# KiCad board travis_erg2024.kicad_pcb-wired-gnd.kicad_pcb (continued)
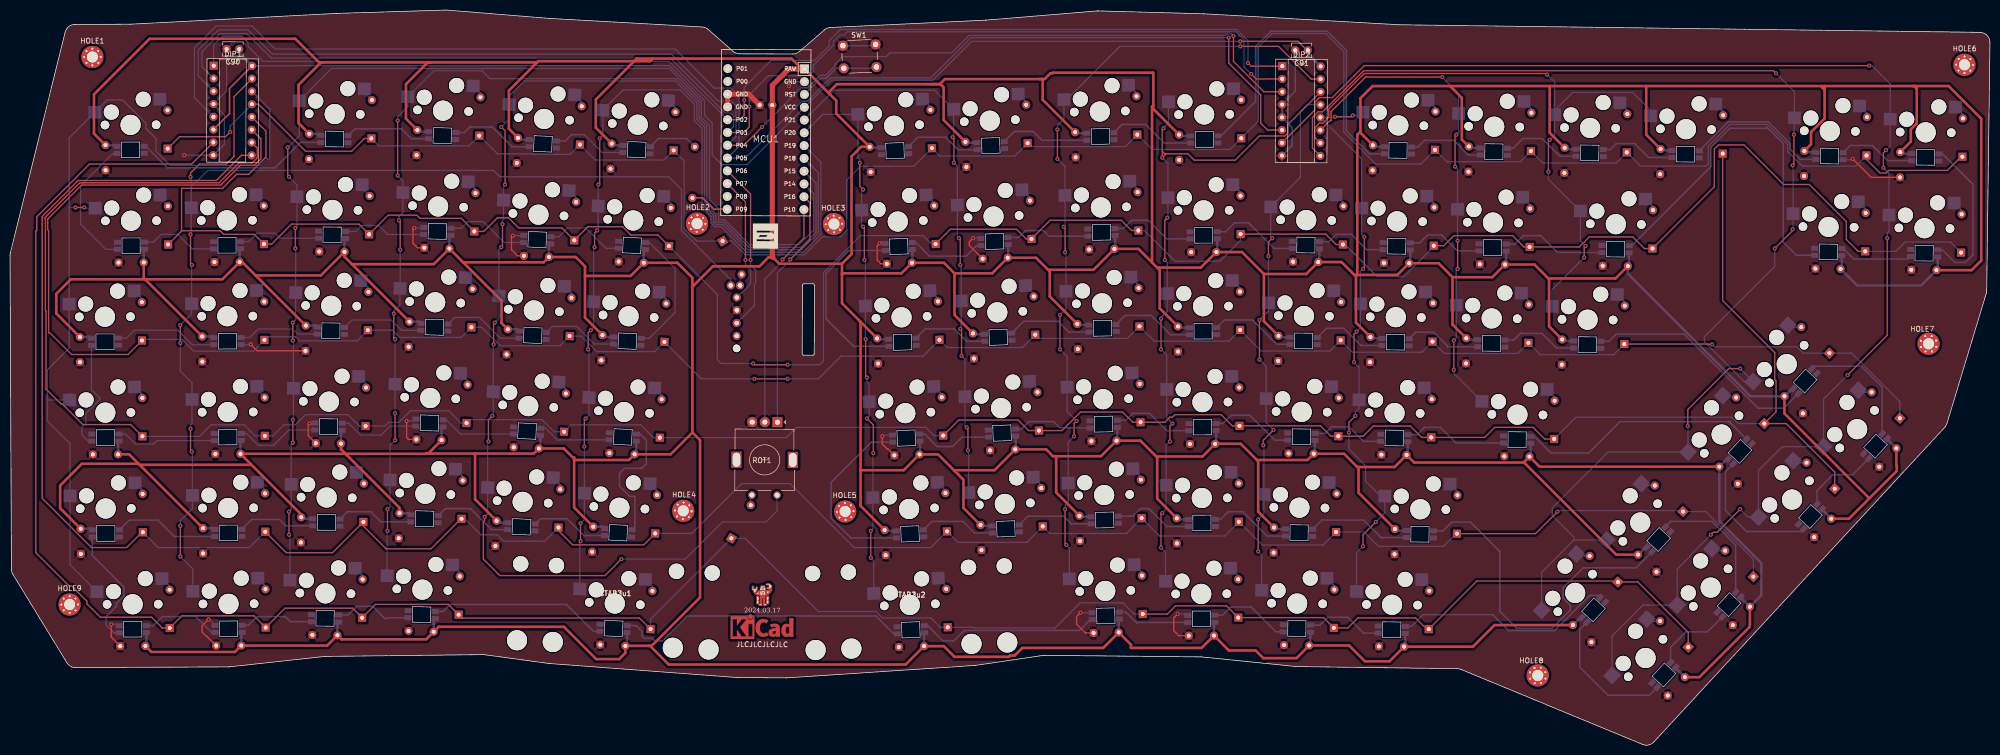
[diagram p0: board, top side]
## Placement (name value [footprint] x y rotation side) (continued)
S58  -  [MX]  255.69 28.09 359.2 top
S59  -  [MX]  256.13 47.14 359.2 top
S60  -  [MX]  256.58 66.19 359.2 top
S61  -  [MX]  257.03 85.23 359.2 top
S62  -  [MX]  257.48 104.28 359.2 top
S63  -  [MX]  274.53 27.85 359.2 top
S64  -  [MX]  280.14 46.83 359.2 top
S65  -  [MX]  275.03 65.94 359.2 top
S66  -  [MX]  275.28 84.99 359.2 top
S67  -  [MX]  275.53 104.04 359.2 top
S68  -  [MX]  275.78 123.09 359.2 top
S69  -  [MX]  299.44 65.63 359.2 top
S70  -  [MX]  294.33 84.74 359.2 top
S71  -  [MX]  294.58 103.79 359.2 top
S72  -  [MX]  294.83 122.84 359.2 top
S73  -  [MX]  313.38 84.49 359.2 top
S74  -  [MX]  318.99 103.47 359.2 top
S75  -  [MX]  313.88 122.59 359.2 top
S76  -  [MX]  332.93 122.34 359.2 top
S77  -  [MX]  324.9 17.27 47.2 top
S78  -  [MX]  310.91 30.2 47.2 top
S79  -  [MX]  337.83 31.26 47.2 top
S80  -  [MX]  323.85 44.19 47.2 top
S81  -  [MX]  354 48.75 47.2 top
S82  -  [MX]  340.01 61.68 47.2 top
S83  -  [MX]  366.93 62.74 47.2 top
S84  -  [MX]  352.94 75.67 47.2 top
S85  -  [MX]  361.25 102.92 359.2 top
S86  -  [MX]  361.5 121.97 359.2 top
S87  -  [MX]  380.3 102.67 359.2 top
S88  -  [MX]  380.55 121.72 359.2 top
STAB2u1  -  [Stabilizer_MX_2.00u]  120.13 28.09 357.2 top
STAB2u2  -  [Stabilizer_MX_2.00u]  178.74 27.83 2.2 top
STAB3u1  -  [Stabilizer_MX_3.00u]  120.13 28.09 357.2 top
STAB3u2  -  [Stabilizer_MX_3.00u]  178.74 27.83 2.2 top
SW1  -  [SW_PUSH_6mm_H4.3mm]  165.44 138.93 2.2 top
SYM1  -  [KiCad-Logo_5mm_Copper]  149.41 22.96 359.8 top

## Library data of the parts
D1-D90 = -: Field4: undefined

## Footprints (pads in the part's own frame, mm; a bottom-side part is the same pattern mirrored in y, then rotated)
C_Disc_D3.8mm_W2.6mm_P2.50mm
  round 1.6 hole 0.8: 1(0,0) 2(2.5,0)
C_Disc_D4.7mm_W2.5mm_P5.00mm
  round 1.6 hole 0.8: 1(0,0) 2(5,0)
C_Radial_D6.3mm_H11.0mm_P2.50mm
  round 1.6 hole 0.8: 1(0,0) 2(2.5,0)
Diode_DO-35
  rect 1.6x1.6 hole 0.8: 1(0,0)
  oval 1.6x1.6 hole 0.8: 2(7.62,0)
DIP-16_W7.62mm_Socket
  rect 1.6x1.6 hole 0.8: 1(0,0)
  oval 1.6x1.6 hole 0.8: 2(0,-2.54) 3(0,-5.08) 4(0,-7.62) 5(0,-10.16) 6(0,-12.7) 7(0,-15.24) 8(0,-17.78) 9(7.62,-17.78) 10(7.62,-15.24) 11(7.62,-12.7) 12(7.62,-10.16) 13(7.62,-7.62) 14(7.62,-5.08) 15(7.62,-2.54) 16(7.62,0)
led_SK6812mini-e (per-keysingle-side)
  rect 1.4x1 smd: 1(2.7,0.7) 2(2.7,-0.7) 3(-2.7,-0.7) 4(-2.7,0.7)
MountingHole_2.2mm_M2_Pad_Via
  round 0.7 hole 0.4: 1(-1.65,0) 1(-1.167,1.167) 1(-1.167,-1.167) 1(0,1.65) 1(0,-1.65) 1(1.167,1.167) 1(1.167,-1.167) 1(1.65,0)
  round 4.4 hole 2.2: 1(0,0)
MX
  round 1.702 hole 1.702 unplated: (-5.08,0) (5.08,0)
  round 3 hole 3 unplated: (-3.81,2.54) (2.54,5.08)
  round 3.988 hole 3.988 unplated: (0,0)
  rect 2.55x2.5 smd far side: 1(-7.085,2.54) 2(5.842,5.08)
ProMicro
  rect 1.753x1.753 hole 1.092: 1(-13.97,7.62)
  round 1.753 hole 1.092: 2(-11.43,7.62) 3(-8.89,7.62) 4(-6.35,7.62) 5(-3.81,7.62) 6(-1.27,7.62) 7(1.27,7.62) 8(3.81,7.62) 9(6.35,7.62) 10(8.89,7.62) 11(11.43,7.62) 12(13.97,7.62) 13(-13.97,-7.62) 14(-11.43,-7.62) 15(-8.89,-7.62) 16(-6.35,-7.62) 17(-3.81,-7.62) 18(-1.27,-7.62) 19(1.27,-7.62) 20(3.81,-7.62) 21(6.35,-7.62) 22(8.89,-7.62) 23(11.43,-7.62) 24(13.97,-7.62)
R_Axial_DIN0207_L6.3mm_D2.5mm_P10.16mm_Horizontal
  round 1.6 hole 0.8: 1(0,0)
  oval 1.6x1.6 hole 0.8: 2(10.16,0)
RollerEncoder_Panasonic_EVQWGD001
  round 1.5 hole 1.5 unplated: (-5.625,-6.3)
  round 1.6 hole 0.9: A(-5.625,3.81) B(-5.625,1.27) C(-5.625,-1.27) D(-5.625,-3.81) S1(-6.85,6.2) S2(-5,6.2)
rotary_encoder
  rect 3.2x2 hole 2.8x1.5: (-0.12,5.64) (-0.12,-5.56)
  round 1.5 hole 1: 1(6.88,2.54) 2(6.88,-2.46)
  rect 2x2 hole 1: A(-7.62,2.54)
  round 2 hole 1: B(-7.62,-2.46) C(-7.62,0.04)
Stabilizer_MX_2.00u
  round 3.048 hole 3.048 unplated: (-11.938,6.985) (11.938,6.985)
  round 3.988 hole 3.988 unplated: (-11.938,-8.225) (11.938,-8.225)
Stabilizer_MX_3.00u
  round 3.048 hole 3.048 unplated: (-19.05,6.985) (19.05,6.985)
  round 3.988 hole 3.988 unplated: (-19.05,-8.225) (19.05,-8.225)
SW_PUSH_6mm_H4.3mm
  round 2 hole 1.1: 1(0,0) 1(6.5,0) 2(0,-4.5) 2(6.5,-4.5)

## Nets
GND: C1.2 C2.2 C3.2 C4.2 C5.2 C6.2 C7.2 C8.2 C9.2 C10.2 C11.2 C12.2 C13.2 C14.2 C15.2 C16.2 C17.2 C18.2 C19.2 C20.2 C21.2 C22.2 C23.2 C24.2 C25.2 C26.2 C27.2 C28.2 C29.2 C30.2 C31.2 C32.2 C33.2 C34.2 C35.2 C36.2 C37.2 C38.2 C39.2 C40.2 C41.2 C42.2 C43.2 C44.2 C45.2 C46.2 C47.2 C48.2 C49.2 C50.2 C51.2 C52.2 C53.2 C54.2 C55.2 C56.2 C57.2 C58.2 C59.2 C60.2 C61.2 C62.2 C63.2 C64.2 C65.2 C66.2 C67.2 C68.2 C69.2 C70.2 C71.2 C72.2 C73.2 C74.2 C75.2 C76.2 C77.2 C78.2 C79.2 C80.2 C81.2 C82.2 C83.2 C84.2 C85.2 C86.2 C87.2 C88.2 C89.2 C90.2 C91.2 DIP1.4 DIP1.8 DIP2.4 DIP2.5 DIP2.8 LED1.3 LED2.3 LED3.3 LED4.3 LED5.3 LED6.3 LED7.3 LED8.3 LED9.3 LED10.3 LED11.3 LED12.3 LED13.3 LED14.3 LED15.3 LED16.3 LED17.3 LED18.3 LED19.3 LED20.3 LED21.3 LED22.3 LED23.3 LED24.3 LED25.3 LED26.3 LED27.3 LED28.3 LED29.3 LED30.3 LED31.3 LED32.3 LED33.3 LED34.3 LED35.3 LED36.3 LED37.3 LED38.3 LED39.3 LED40.3 LED41.3 LED42.3 LED43.3 LED44.3 LED45.3 LED46.3 LED47.3 LED48.3 LED49.3 LED50.3 LED51.3 LED52.3 LED53.3 LED54.3 LED55.3 LED56.3 LED57.3 LED58.3 LED59.3 LED60.3 LED61.3 LED62.3 LED63.3 LED64.3 LED65.3 LED66.3 LED67.3 LED68.3 LED69.3 LED70.3 LED71.3 LED72.3 LED73.3 LED74.3 LED75.3 LED76.3 LED77.3 LED78.3 LED79.3 LED80.3 LED81.3 LED82.3 LED83.3 LED84.3 LED85.3 LED86.3 LED87.3 LED88.3 MCU1.2 MCU1.15 MCU1.16 REF**.B ROT1.B SW1.1
VCC: C90.1 C91.1 DIP1.6 DIP1.16 DIP2.16 MCU1.4
arrows_left_bottom: D77.2 S77.2
arrows_left_top: D78.2 S78.2
arrows_right_bottom: D79.2 S79.2
arrows_right_top: D80.2 S80.2
col0: DIP1.14 S1.1 S2.1 S3.1 S4.1 S5.1 S6.1
col1: DIP1.15 REF**.S1 S7.1 S8.1 S9.1 S10.1 S11.1
col2: MCU1.10 S12.1 S13.1 S14.1 S15.1 S16.1 S17.1
col3: MCU1.9 S18.1 S19.1 S20.1 S21.1 S22.1 S23.1
col4: MCU1.8 ROT1.1 S24.1 S25.1 S26.1 S27.1 S28.1
col5: MCU1.7 S29.1 S30.1 S31.1 S32.1 S33.1 S34.1
col6: MCU1.6 S35.1 S36.1 S37.1 S38.1 S39.1 S40.1
col7: MCU1.5 S41.1 S42.1 S43.1 S44.1 S45.1
col8: DIP2.15 S46.1 S47.1 S48.1 S49.1 S50.1 S51.1
col9: DIP2.14 S52.1 S53.1 S54.1 S55.1 S56.1 S57.1
col10: DIP2.13 S58.1 S59.1 S60.1 S61.1 S62.1
col11: DIP2.12 S63.1 S64.1 S65.1 S66.1 S67.1 S68.1
col12: DIP2.11 S69.1 S70.1 S71.1 S72.1
col13: DIP2.10 S73.1 S74.1 S75.1 S76.1
col14: DIP2.9 S78.1 S80.1 S82.1 S84.1 S85.1 S86.1
col15: DIP2.7 S77.1 S79.1 S81.1 S83.1 S87.1 S88.1
enc_to: D90.2 ROT1.2
encA: MCU1.11 ROT1.A
encC: MCU1.12 ROT1.C
LED: MCU1.24 R1.1
LED_0: LED17.4 R1.2
LED_1: LED14.4 LED17.2
LED_2: LED11.4 LED14.2
LED_3: LED8.4 LED11.2
LED_4: LED3.4 LED8.2
LED_5: LED3.2 LED48.4
LED_6: LED48.2 LED51.4
LED_7: LED51.2 LED54.4
LED_8: LED54.2 LED57.4
LED_9: LED57.2 LED59.4
LED_10: LED59.2 LED62.4
LED_11: LED16.4 LED62.2
LED_12: LED13.4 LED16.2
LED_13: LED10.4 LED13.2
LED_14: LED7.4 LED10.2
LED_15: LED5.4 LED7.2
LED_16: LED2.4 LED5.2
LED_17: LED2.2 LED47.4
LED_18: LED47.2 LED50.4
LED_19: LED50.2 LED53.4
LED_20: LED53.2 LED56.4
LED_21: LED56.2 LED58.4
LED_22: LED58.2 LED61.4
LED_23: LED15.4 LED61.2
LED_24: LED12.4 LED15.2
LED_25: LED9.4 LED12.2
LED_26: LED6.4 LED9.2
LED_27: LED4.4 LED6.2
LED_28: LED1.4 LED4.2
LED_29: LED1.2 LED46.4
LED_30: LED46.2 LED49.4
LED_31: LED49.2 LED52.4
LED_32: LED52.2 LED55.4
LED_33: LED55.2 LED60.4
LED_34: LED60.2 LED63.4
LED_35: LED63.2 LED68.4
LED_36: LED68.2 LED71.4
LED_37: LED71.2 LED74.4
LED_38: LED74.2 LED77.4
LED_39: LED40.4 LED77.2
LED_40: LED40.2 LED83.4
LED_41: LED83.2 LED84.4
LED_42: LED41.4 LED84.2
LED_43: LED32.4 LED41.2
LED_44: LED30.4 LED32.2
LED_45: LED27.4 LED30.2
LED_46: LED24.4 LED27.2
LED_47: LED21.4 LED24.2
LED_48: LED18.4 LED21.2
LED_49: LED18.2 LED64.4
LED_50: LED64.2 LED66.4
LED_51: LED66.2 LED69.4
LED_52: LED69.2 LED72.4
LED_53: LED72.2 LED75.4
LED_54: LED75.2 LED78.4
LED_55: LED78.2 LED80.4
LED_56: LED42.4 LED80.2
LED_57: LED42.2 LED85.4
LED_58: LED85.2 LED86.4
LED_59: LED43.4 LED86.2
LED_60: LED37.4 LED43.2
LED_61: LED35.4 LED37.2
LED_62: LED33.4 LED35.2
LED_63: LED31.4 LED33.2
LED_64: LED28.4 LED31.2
LED_65: LED25.4 LED28.2
LED_66: LED22.4 LED25.2
LED_67: LED19.4 LED22.2
LED_68: LED19.2 LED65.4
LED_69: LED65.2 LED67.4
LED_70: LED67.2 LED70.4
LED_71: LED70.2 LED73.4
LED_72: LED73.2 LED76.4
LED_73: LED76.2 LED79.4
LED_74: LED79.2 LED81.4
LED_75: LED81.2 LED82.4
LED_76: LED82.2 LED87.4
LED_77: LED87.2 LED88.4
LED_78: LED45.4 LED88.2
LED_79: LED44.4 LED45.2
LED_80: LED39.4 LED44.2
LED_81: LED38.4 LED39.2
LED_82: LED36.4 LED38.2
LED_83: LED34.4 LED36.2
LED_84: LED29.4 LED34.2
LED_85: LED26.4 LED29.2
LED_86: LED23.4 LED26.2
LED_87: LED20.4 LED23.2
matrixl_index_bottom: D24.2 S24.2
matrixl_index_func: D28.2 S28.2
matrixl_index_home: D25.2 S25.2
matrixl_index_num: D27.2 S27.2
matrixl_index_top: D26.2 S26.2
matrixl_inner_bottom: D30.2 S30.2
matrixl_inner_func: D34.2 S34.2
matrixl_inner_home: D31.2 S31.2
matrixl_inner_mod: D29.2 S29.2
matrixl_inner_num: D33.2 S33.2
matrixl_inner_top: D32.2 S32.2
matrixl_middle_bottom: D19.2 S19.2
matrixl_middle_func: D23.2 S23.2
matrixl_middle_home: D20.2 S20.2
matrixl_middle_mod: D18.2 S18.2
matrixl_middle_num: D22.2 S22.2
matrixl_middle_top: D21.2 S21.2
matrixl_outer_bottom: D2.2 S2.2
matrixl_outer_func: D6.2 S6.2
matrixl_outer_home: D3.2 S3.2
matrixl_outer_mod: D1.2 S1.2
matrixl_outer_num: D5.2 S5.2
matrixl_outer_top: D4.2 S4.2
matrixl_pinky_bottom: D8.2 S8.2
matrixl_pinky_home: D9.2 S9.2
matrixl_pinky_mod: D7.2 S7.2
matrixl_pinky_num: D11.2 S11.2
matrixl_pinky_top: D10.2 S10.2
matrixl_ring_bottom: D13.2 S13.2
matrixl_ring_func: D17.2 S17.2
matrixl_ring_home: D14.2 S14.2
matrixl_ring_mod: D12.2 S12.2
matrixl_ring_num: D16.2 S16.2
matrixl_ring_top: D15.2 S15.2
matrixr_index_bottom: D41.2 S41.2
matrixr_index_func: D45.2 S45.2
matrixr_index_home: D42.2 S42.2
matrixr_index_num: D44.2 S44.2
matrixr_index_top: D43.2 S43.2
matrixr_inner_bottom: D36.2 S36.2
matrixr_inner_func: D40.2 S40.2
matrixr_inner_home: D37.2 S37.2
matrixr_inner_mod: D35.2 S35.2
matrixr_inner_num: D39.2 S39.2
matrixr_inner_top: D38.2 S38.2
matrixr_middle_bottom: D47.2 S47.2
matrixr_middle_func: D51.2 S51.2
matrixr_middle_home: D48.2 S48.2
matrixr_middle_mod: D46.2 S46.2
matrixr_middle_num: D50.2 S50.2
matrixr_middle_top: D49.2 S49.2
matrixr_outer2_func: D72.2 S72.2
matrixr_outer2_home: D69.2 S69.2
matrixr_outer2_num: D71.2 S71.2
matrixr_outer2_top: D70.2 S70.2
matrixr_outer3_func: D75.2 S75.2
matrixr_outer3_num: D74.2 S74.2
matrixr_outer3_top: D73.2 S73.2
matrixr_outer4_func: D76.2 S76.2
matrixr_outer_bottom: D64.2 S64.2
matrixr_outer_func: D68.2 S68.2
matrixr_outer_home: D65.2 S65.2
matrixr_outer_mod: D63.2 S63.2
matrixr_outer_num: D67.2 S67.2
matrixr_outer_top: D66.2 S66.2
matrixr_pinky_bottom: D59.2 S59.2
matrixr_pinky_home: D60.2 S60.2
matrixr_pinky_mod: D58.2 S58.2
matrixr_pinky_num: D62.2 S62.2
matrixr_pinky_top: D61.2 S61.2
matrixr_ring_bottom: D53.2 S53.2
matrixr_ring_func: D57.2 S57.2
matrixr_ring_home: D54.2 S54.2
matrixr_ring_mod: D52.2 S52.2
matrixr_ring_num: D56.2 S56.2
matrixr_ring_top: D55.2 S55.2
mux0: DIP1.1 DIP2.1 MCU1.17
mux1: DIP1.2 DIP2.2 MCU1.18
mux2: DIP1.3 DIP2.3 MCU1.19
mux3: DIP1.5 DIP2.6 MCU1.20
P0: MCU1.14
P1: MCU1.13
P8: MCU1.23
pages_left_bottom: D81.2 S81.2
pages_left_top: D82.2 S82.2
pages_right_bottom: D83.2 S83.2
pages_right_top: D84.2 S84.2
RAW: C1.1 C2.1 C3.1 C4.1 C5.1 C6.1 C7.1 C8.1 C9.1 C10.1 C11.1 C12.1 C13.1 C14.1 C15.1 C16.1 C17.1 C18.1 C19.1 C20.1 C21.1 C22.1 C23.1 C24.1 C25.1 C26.1 C27.1 C28.1 C29.1 C30.1 C31.1 C32.1 C33.1 C34.1 C35.1 C36.1 C37.1 C38.1 C39.1 C40.1 C41.1 C42.1 C43.1 C44.1 C45.1 C46.1 C47.1 C48.1 C49.1 C50.1 C51.1 C52.1 C53.1 C54.1 C55.1 C56.1 C57.1 C58.1 C59.1 C60.1 C61.1 C62.1 C63.1 C64.1 C65.1 C66.1 C67.1 C68.1 C69.1 C70.1 C71.1 C72.1 C73.1 C74.1 C75.1 C76.1 C77.1 C78.1 C79.1 C80.1 C81.1 C82.1 C83.1 C84.1 C85.1 C86.1 C87.1 C88.1 C89.1 LED1.1 LED2.1 LED3.1 LED4.1 LED5.1 LED6.1 LED7.1 LED8.1 LED9.1 LED10.1 LED11.1 LED12.1 LED13.1 LED14.1 LED15.1 LED16.1 LED17.1 LED18.1 LED19.1 LED20.1 LED21.1 LED22.1 LED23.1 LED24.1 LED25.1 LED26.1 LED27.1 LED28.1 LED29.1 LED30.1 LED31.1 LED32.1 LED33.1 LED34.1 LED35.1 LED36.1 LED37.1 LED38.1 LED39.1 LED40.1 LED41.1 LED42.1 LED43.1 LED44.1 LED45.1 LED46.1 LED47.1 LED48.1 LED49.1 LED50.1 LED51.1 LED52.1 LED53.1 LED54.1 LED55.1 LED56.1 LED57.1 LED58.1 LED59.1 LED60.1 LED61.1 LED62.1 LED63.1 LED64.1 LED65.1 LED66.1 LED67.1 LED68.1 LED69.1 LED70.1 LED71.1 LED72.1 LED73.1 LED74.1 LED75.1 LED76.1 LED77.1 LED78.1 LED79.1 LED80.1 LED81.1 LED82.1 LED83.1 LED84.1 LED85.1 LED86.1 LED87.1 LED88.1 MCU1.1
row0: D6.1 D17.1 D23.1 D28.1 D34.1 D40.1 D45.1 D51.1 D57.1 D68.1 D72.1 D75.1 D86.1 D88.1 D89.1 DIP1.13
row1: D5.1 D11.1 D16.1 D22.1 D27.1 D33.1 D39.1 D44.1 D50.1 D56.1 D62.1 D67.1 D71.1 D74.1 D85.1 D87.1 DIP1.12
row2: D4.1 D10.1 D15.1 D21.1 D26.1 D32.1 D38.1 D43.1 D49.1 D55.1 D61.1 D66.1 D70.1 D73.1 D83.1 D84.1 DIP1.11
row3: D3.1 D9.1 D14.1 D20.1 D25.1 D31.1 D37.1 D42.1 D48.1 D54.1 D60.1 D65.1 D69.1 D76.1 D81.1 D82.1 DIP1.10
row4: D2.1 D8.1 D13.1 D19.1 D24.1 D30.1 D36.1 D41.1 D47.1 D53.1 D59.1 D64.1 D79.1 D80.1 DIP1.9
row5: D1.1 D7.1 D12.1 D18.1 D29.1 D35.1 D46.1 D52.1 D58.1 D63.1 D77.1 D78.1 D90.1 DIP1.7
RST: MCU1.3 SW1.2
scr_to: D89.2 REF**.S2
scrA: MCU1.22 REF**.A
scrC: MCU1.21 REF**.C
special_left_bottom: D85.2 S85.2
special_left_top: D86.2 S86.2
special_right_bottom: D87.2 S87.2
special_right_top: D88.2 S88.2
undefined: REF**.D

Pads without a net: HOLE1 1; HOLE2 1; HOLE3 1; HOLE4 1; HOLE5 1; HOLE6 1; HOLE7 1; HOLE8 1; HOLE9 1; LED20 2

## Via types
v1: diameter 0.8, hole 0.4, Top to Bottom, 168 vias

## Routing (per net, layer and track width the routed paths; a pad name or vN(x,y) marks a point on that pad's centre or on a via; arc(x,y) is an arc through that point)
GND: length 183.3
  Top w0.25: C7.2 49.07,78.32 v1(47.79,79.6) ; C46.2 20.1,21.43 v1(20.1,23.98) ; v1(231.94,26.01) 231.18,25.25 231.18,22.71 232.19,21.69 232.21,21.7 C71.2 ; C57.2 80.94,98.78 80.05,99.67 80.05,102.46 v1(80.3,102.72) ; C56.2 79.13,60.71 78.78,61.06 v1(78.78,64.36) ; C65.2 173.01,95.6 172.25,96.37 172.25,99.16 v1(172.76,99.67) ; C53.2 59.22,61.46 59.22,63.6 v1(59.47,63.85) ; C59.2 100.81,97.19 99.6,98.4 99.6,100.94 v1(99.86,101.19) ; C64.2 174.43,58.77 174.28,58.77 173.26,59.79 v1(173.26,61.31) ; v1(39.41,24.94) 38.14,23.67 38.14,22.45 38.99,21.6 39.06,21.6 C49.2 ; C68.2 213.7,22.25 213.65,22.2 211.87,23.98 211.87,25.5 v1(212.63,26.26) ; C45.2 369.7,112.78 v1(366.05,116.43) ; C67.2 190.54,99.26 190.54,99.92 v1(191.3,100.68)
  Top w1: C89.2 146.75,129.31 MCU1.15 142.55,129.29 MCU1.16
  Bottom w0.25: v1(80.3,102.72) 82.1,102.72 LED57.3 ; v1(47.79,79.6) 47.72,79.54 LED5.3 ; LED46.3 21.37,23.98 v1(20.1,23.98) ; LED56.3 80.25,64.36 v1(78.78,64.36) ; v1(59.47,63.85) 60.46,63.85 LED53.3 ; v1(172.76,99.67) 173.78,99.67 LED65.3 ; LED44.3 365.89,116.27 v1(366.05,116.43) ; v1(231.94,26.01) 233.68,26.01 LED71.3 ; LED49.3 39.54,24.94 v1(39.41,24.94) ; v1(191.3,100.68) 192.79,100.68 LED67.3 ; v1(212.63,26.26) 214.93,26.26 LED68.3 ; v1(99.86,101.19) 102.03,101.19 LED59.3 ; LED64.3 173.51,61.56 v1(173.26,61.31) ; 43.02,137.95 43.02,129.95 DIP1.4 42.58,125.18 42.58,119.35 42.54,119.35 DIP1.8 34.59,117.18 v1(34.58,117.19)
  Bottom w0.3: SW1.1 171.68,138.93 SW1.1 ; 255.31,137.85 255.31,129.85 DIP2.4 252.7,124.72 DIP2.5 254.29,123.1 254.29,123.04 254.67,122.66 254.67,118.97 254.54,118.97 DIP2.8 ; v1(154.72,130.91) 155.59,131.78 MCU1.2 158.29,131.78
VCC: length 258.3
  Top w0.25: 257.81,137.84 255.85,139.8 v1(244.38,139.8)
  Top w0.3: DIP1.6 43.6,125.46 43.6,130.45 DIP1.16
  Bottom w0.25: DIP1.16 56.88,134.93 56.93,134.97 130.98,134.97 137.96,127.99 137.96,125.07 139.48,123.54 139.48,117.19 141.38,115.3 146.38,115.3 MCU1.4 163.19,132.1 183.34,132.1 191.04,139.8 v1(244.38,139.8)
  Bottom w0.5: DIP2.16 257.81,137.38 257.81,137.84 ; DIP1.16 45.52,137.47 45.52,137.94
arrows_left_bottom: length 2.8
  Bottom w0.3: D77.2 325.53,24.62 S77.2
arrows_left_top: length 2.8
  Bottom w0.3: D78.2 311.54,37.55 S78.2
arrows_right_bottom: length 2.8
  Bottom w0.3: S79.2 338.46,38.61 D79.2
arrows_right_top: length 2.8
  Bottom w0.3: D80.2 324.47,51.54 S80.2
col0: length 172.9
  Top w0.25: v1(14.73,106.78) v1(12.99,106.78)
  Bottom w0.25: 7.4,68.68 7.54,68.54 S3.1 11.83,69.84 ; 7.4,68.68 7.4,74.52 11.74,78.87 S4.1 11.74,106.78 ; 7.4,68.68 7.4,64.36 11.91,59.85 S2.1 11.91,35.81 S1.1 ; 11.74,106.78 11.74,120.61 S6.1 19.29,128.16 21.83,128.16 21.88,128.12 22.39,128.12 26.96,123.54 26.96,122.53 28.99,120.5 28.99,117.96 31.79,115.16 49.82,115.16 51.09,116.43 51.6,116.43 51.6,126.3 DIP1.14 ; 11.74,106.78 v1(12.99,106.78) ; v1(14.73,106.78) 14.85,106.66 S5.1
col1: length 237.9
  Top w0.25: v1(33.82,79.86) v1(33.82,83.41) ; v1(36.1,58.27) 35.85,58.52 v1(35.85,62.84) ; v1(36.1,95.35) 35.85,95.6 v1(35.85,101.45) ; v1(35.85,112.88) 35.85,113.64 37.63,115.42 42.96,115.42 44.49,116.94 44.49,128.81 DIP1.15 ; v1(33.82,37.44) v1(33.82,43.53)
  Bottom w0.25: S7.1 36.31,34.95 v1(33.82,37.44) ; 35.97,110.84 S11.1 35.97,101.57 v1(35.85,101.45) ; 35.97,110.84 39.28,114.15 96.02,114.15 97.29,112.88 130.85,112.88 133.39,110.34 133.39,102.21 143.16,92.43 REF**.S1 ; 35.97,110.84 35.97,112.75 v1(35.85,112.88) ; v1(36.1,58.27) 36.22,58.15 S8.1 36.22,46.96 33.82,44.55 v1(33.82,43.53) ; v1(33.82,83.41) 36.06,85.65 S10.1 36.06,95.3 v1(36.1,95.35) ; v1(33.82,79.86) 33.82,74.27 36.14,71.95 S9.1 36.14,63.89 35.85,63.6 v1(35.85,62.84)
col2: length 240.4
  Top w0.25: v1(56.68,98.65) v1(56.68,102.72) ; v1(56.17,60.04) v1(56.17,64.62) ; v1(55.41,112.88) 55.15,113.13 v1(55.15,118.72) ; v1(55.41,41.76) v1(55.41,46.33) ; v1(56.17,80.36) v1(56.17,83.92)
  Bottom w0.25: v1(55.15,118.72) 57.44,121 S17.1 63.87,134.41 130.91,134.41 137.33,127.98 137.33,124.68 138.97,123.04 138.97,108.3 140.75,106.53 140.75,104.32 141.96,104.32 146.99,99.3 147.1,99.41 156.75,99.41 159.55,102.21 159.66,102.21 159.66,109.51 MCU1.10 ; v1(56.68,98.65) 56.74,98.59 S15.1 56.74,84.49 v1(56.17,83.92) ; v1(56.17,64.62) 56.29,64.74 S14.1 56.29,80.24 v1(56.17,80.36) ; S12.1 55.59,41.57 v1(55.41,41.76) ; v1(56.68,102.72) 56.99,103.03 S16.1 56.99,111.29 v1(55.41,112.88) ; v1(56.17,60.04) 55.84,59.72 S13.1 55.84,46.76 v1(55.41,46.33)
col3: length 222.3
  Top w0.25: v1(77.51,98.4) 77.51,103.99 v1(77.25,104.24) ; v1(76.49,60.55) v1(76.49,65.89) ; v1(76.24,85.7) 76.24,80.87 v1(76.49,80.62) ; v1(74.97,42.52) v1(74.97,46.84) ; v1(77,113.13) v1(77,124.05)
  Bottom w0.25: v1(76.49,60.55) 75.48,59.55 S19.1 75.48,47.35 v1(74.97,46.84) ; v1(76.24,85.7) 76.24,86.21 77.45,87.42 S21.1 77.45,91.23 77.51,91.29 v1(77.51,98.4) ; v1(74.97,42.52) 74.9,42.45 S18.1 ; v1(76.49,65.89) 76.46,65.91 S20.1 76.46,80.59 v1(76.49,80.62) ; v1(77.25,104.24) 77.25,105 78.03,105.78 S22.1 78.03,112.1 v1(77,113.13) ; MCU1.9 160.11,111.62 160.11,101.89 157.08,98.85 146.78,98.85 141.76,103.87 140.36,103.87 140.19,104.05 140.19,105.44 139.42,106.2 139.42,106.97 138.41,107.98 138.41,122.97 136.88,124.49 136.88,127.79 132.3,132.38 95.34,132.38 93.76,133.96 84.19,133.96 S23.1 79.01,126.83 77,124.81 v1(77,124.05)
col4: length 268.8
  Top w0.25: v1(97.83,103.48) 97.83,99.16 v1(97.57,98.91) ; v1(121.45,36.93) 118.17,33.66 97.29,33.66 94.02,36.93 94.02,44.3 94.27,44.55 v1(94.27,45.31) ; v1(95.03,60.3) 95.03,64.62 v1(95.79,65.38) ; v1(97.57,122.78) 98.33,122.02 v1(98.33,111.35) ; v1(96.3,83.92) 96.05,83.67 v1(96.05,79.6)
  Bottom w0.25: v1(95.03,60.3) 94.87,60.14 S24.1 94.87,45.92 v1(94.27,45.31) ; v1(121.45,36.93) 134.15,36.93 141.51,44.3 150.15,44.3 152.37,46.52 ROT1.1 ; v1(96.05,79.6) 95.99,79.54 S25.1 95.99,65.57 v1(95.79,65.38) ; v1(98.33,111.35) 98.02,111.03 S27.1 98.02,104.43 97.83,104.24 v1(97.83,103.48) ; v1(97.57,98.91) 97.1,98.44 S26.1 97.1,84.72 v1(96.3,83.92) ; v1(97.57,122.78) 99.13,124.34 S28.1 99.13,128.91 102.14,131.93 132.12,131.93 136.43,127.61 136.43,124.31 137.96,122.78 137.96,107.8 138.97,106.78 138.97,106.02 139.74,105.26 139.74,103.86 140.18,103.42 141.57,103.42 146.59,98.4 157.26,98.4 160.56,101.7 160.56,113.72 MCU1.8
col5: length 188.1
  Top w0.25: v1(116.88,111.35) 117.13,111.61 v1(117.13,120.5) ; v1(116.62,102.21) 116.11,101.7 v1(116.11,98.91) ; v1(114.84,78.59) 114.84,81.89 v1(115.35,82.4) ; v1(114.08,59.28) 114.08,64.62 v1(114.34,64.87) ; v1(113.32,40.49) v1(113.32,44.04)
  Bottom w0.25: S34.1 117.92,126.11 ; S34.1 121.78,130.15 133.13,130.15 135.93,127.35 135.93,124.05 137.45,122.53 137.45,107.54 138.47,106.53 138.47,105.76 139.23,105 139.23,103.73 139.99,102.97 141.26,102.97 146.34,97.89 157.52,97.89 161.07,101.45 161.07,115.76 MCU1.7 ; S34.1 117.75,121.11 v1(117.13,120.5) ; v1(116.62,102.21) 116.83,102.42 S33.1 116.83,111.31 v1(116.88,111.35) ; S29.1 113.18,40.34 v1(113.32,40.49) ; v1(114.08,59.28) 114.08,50.66 114.09,50.66 S30.1 114.09,44.81 v1(113.32,44.04) ; v1(115.35,82.4) 115.92,82.96 S32.1 115.92,98.71 v1(116.11,98.91) ; v1(114.34,64.87) 115,65.54 S31.1 115,78.43 v1(114.84,78.59)
col6: length 109.7
  Top w0.25: v1(169.45,110.34) 168.8,110.99 v1(168.8,115.68) ; v1(170.22,64.87) 171.49,63.6 v1(171.49,58.01) ; v1(169.71,96.37) 169.71,102.72 v1(169.45,102.97) ; v1(170.22,73) 169.96,73.25 v1(169.96,80.62) ; v1(170.98,42.52) v1(170.98,37.18)
  Bottom w0.25: v1(170.22,73) 170.22,72.24 170.66,71.79 S37.1 170.66,65.32 v1(170.22,64.87) ; v1(168.8,115.68) 168.8,116.33 168.42,116.71 S40.1 161.43,125.29 MCU1.6 ; v1(169.71,96.37) 169.91,96.16 S38.1 169.91,80.67 v1(169.96,80.62) ; v1(170.98,42.52) 171.41,42.95 S36.1 171.41,57.94 v1(171.49,58.01) ; v1(169.45,102.97) 169.17,103.26 S39.1 169.17,110.05 v1(169.45,110.34) ; v1(170.98,37.18) 171.56,36.6 S35.1
col7: length 111.4
  Top w0.25: v1(189.01,77.32) 189.01,82.4 v1(188.76,82.65) ; v1(190.28,58.52) 190.28,62.84 v1(190.03,63.09) ; v1(188.76,95.35) 188.76,100.43 v1(188.5,100.68) ; v1(187.49,115.67) 187.49,120.5 v1(187.23,120.75)
  Bottom w0.25: v1(188.76,82.65) 188.94,82.83 S43.1 188.94,95.17 v1(188.76,95.35) ; S41.1 190.44,58.37 v1(190.28,58.52) ; v1(190.03,63.09) 189.69,63.43 S42.1 189.69,76.64 v1(189.01,77.32) ; v1(188.5,100.68) 188.19,101 S44.1 188.19,114.97 v1(187.49,115.67) ; v1(187.23,120.75) 187.44,120.96 S45.1 183.65,130.08 163.7,130.08 MCU1.5
col8: length 157.9
  Top w0.25: v1(208.06,116.43) v1(208.06,122.27) ; v1(209.33,102.97) 209.59,102.72 v1(209.59,97.89) ; v1(244.38,138.8) 251.99,138.8 258.5,132.29 DIP2.15 ; v1(208.57,78.59) v1(208.57,85.44) ; v1(209.59,46.84) 209.59,39.98 v1(209.84,39.72) ; v1(211.88,64.36) 211.36,63.85 v1(211.36,61.31)
  Bottom w0.25: v1(244.38,138.8) 220.46,138.8 209.89,128.24 S51.1 209.34,124.32 208.06,123.04 v1(208.06,122.27) ; v1(208.06,116.43) 209.56,114.94 S50.1 209.56,103.2 v1(209.33,102.97) ; v1(211.88,64.36) 209.99,66.24 S48.1 209.99,77.17 v1(208.57,78.59) ; v1(209.59,46.84) 209.59,47.6 210.2,48.22 S47.1 210.2,60.16 v1(211.36,61.31) ; S46.1 210.42,39.14 v1(209.84,39.72) ; v1(208.57,85.44) 209.77,86.65 S49.1 209.77,97.7 v1(209.59,97.89)
col9: length 139.3
  Top w0.25: v1(229.91,104.75) 229.4,104.24 v1(229.4,96.37) ; DIP2.14 253.8,123.22 253.8,121.53 253.27,121 248.19,121 243.37,116.18 235.24,116.18 233.97,117.45 229.65,117.45 ; v1(230.92,63.85) 230.41,63.35 v1(230.41,60.3) ; 228.89,117.96 v1(228.89,116.69) 229.65,117.45 ; 228.89,117.96 229.4,117.45 229.65,117.45 ; 228.89,117.96 228.89,122.27 v1(229.14,122.53) ; v1(228.64,39.22) 228.64,45.82 v1(228.89,46.07) ; v1(228.64,78.59) v1(228.64,84.68)
  Bottom w0.25: v1(230.92,63.85) 229.76,65.01 S54.1 229.76,77.46 v1(228.64,78.59) ; v1(228.64,84.68) 228.64,84.94 229.88,86.18 S55.1 229.88,95.88 v1(229.4,96.37) ; S52.1 229.53,38.32 v1(228.64,39.22) ; v1(228.89,46.07) 229.65,46.83 S53.1 229.65,59.53 v1(230.41,60.3) ; v1(229.91,104.75) 230,104.84 S56.1 230,115.58 v1(228.89,116.69) ; v1(229.14,122.53) 230.11,123.5 S57.1
col10: length 106.1
  Top w0.25: v1(247.94,44.8) v1(247.94,38.45) ; v1(250.99,62.58) 248.96,60.55 v1(248.96,59.54) ; v1(248.19,84.43) v1(248.19,76.55) ; v1(250.73,100.68) 249.97,99.92 v1(249.97,97.13)
  Bottom w0.25: v1(248.19,84.43) 249.98,86.22 S61.1 249.98,97.12 v1(249.97,97.13) ; v1(247.94,44.8) 249.08,45.95 S59.1 249.08,59.41 v1(248.96,59.54) ; v1(250.99,62.58) 249.53,64.04 S60.1 249.53,75.22 v1(248.19,76.55) ; v1(247.94,38.45) 248.63,37.76 S58.1 ; v1(250.73,100.68) 250.43,100.99 S62.1 256.32,112.8 256.32,125.83 257.7,127.21 DIP2.13
col11: length 114.5
  Top w0.25: v1(268.77,94.59) 269.02,94.84 v1(269.02,100.94) ; v1(266.99,76.05) 266.99,81.63 v1(267.5,82.14) ; v1(268.77,39.47) 268.77,41.76 v1(271.31,44.3) ; v1(267.24,65.38) 265.97,64.11 v1(265.97,62.08) ; v1(263.18,124.81) 266.48,124.81 v1(266.74,125.07)
  Bottom w0.25: v1(268.77,39.47) 267.48,38.19 S63.1 ; v1(266.74,125.07) 268.08,125.07 S68.1 ; v1(266.99,76.05) 267.98,75.06 S65.1 267.98,66.88 267.24,66.14 v1(267.24,65.38) ; v1(263.18,124.81) 263.04,124.67 DIP2.12 268.48,116.5 S67.1 268.48,101.48 v1(269.02,100.94) ; v1(271.31,44.3) 273.09,46.08 S64.1 272.24,49.46 269.28,52.42 269.28,55.47 265.97,58.77 v1(265.97,62.08) ; v1(268.77,94.59) 268.23,94.05 S66.1 268.23,82.88 v1(267.5,82.14)
col12: length 98.6
  Top w0.25: v1(287.31,121.26) 287.06,121 v1(287.06,114.91) ; v1(287.56,100.18) v1(287.56,94.59) ; DIP2.11 262.22,124.05 262.42,124.05 262.42,125.83 269.28,132.69 v1(284.52,132.69) ; v1(286.8,80.36) v1(286.8,74.52)
  Bottom w0.25: S69.1 286.8,73.85 v1(286.8,74.52) ; v1(287.56,94.59) 287.28,94.3 S70.1 287.28,80.84 v1(286.8,80.36) ; v1(284.52,132.69) 287.78,129.43 S72.1 287.78,121.73 v1(287.31,121.26) ; v1(287.06,114.91) 287.53,114.44 S71.1 287.53,100.21 v1(287.56,100.18)
col13: length 132.2
  Top w0.25: v1(305.6,113.89) 305.6,119.99 v1(305.85,120.24) ; v1(312.97,99.16) 312.71,98.9 v1(312.71,96.87) ; v1(305.34,133.2) 305.13,133.41 268.98,133.41 261.97,126.4 261.97,124.74 260.77,123.54 260.12,123.54 259.17,122.6 259.17,120.71 DIP2.10
  Bottom w0.25: v1(305.6,113.89) 305.6,112.37 311.86,106.1 S74.1 311.94,100.19 v1(312.97,99.16) ; v1(305.34,133.2) 306.83,131.71 S75.1 ; S76.1 325.87,126.13 322.36,129.64 310.42,129.64 306.83,126.04 S75.1 ; v1(305.85,120.24) 306.83,121.22 S75.1 ; v1(312.71,96.87) 306.33,90.49 S73.1
col14: length 268.5
  Top w0.25: v1(350.81,133.45) 350.3,133.96 268.89,133.96 260.73,125.8 259.84,125.8 258.72,124.68 258.72,118.61 DIP2.9 ; v1(354.11,102.46) 354.11,102.21 v1(350.56,98.65) ; v1(333.28,63.35) 333.28,66.65 341.41,74.78 v1(343.7,74.78) ; v1(354.37,121.26) 354.37,115.42 v1(354.11,115.16)
  Bottom w0.25: v1(354.11,115.16) 354.2,115.08 S85.1 354.2,102.55 v1(354.11,102.46) ; S80.1 310.65,40.71 ; 310.65,40.71 310.65,41.28 306.36,45.57 306.36,47.09 317.47,58.2 S82.1 333.33,63.3 v1(333.28,63.35) ; 310.65,40.71 304.24,34.3 S78.1 ; v1(354.37,121.26) 354.37,122.02 354.45,122.1 S86.1 354.45,129.81 v1(350.81,133.45) ; v1(343.7,74.78) 343.7,74.76 S84.1 344.5,72.19 336.59,80.1 336.59,81.13 350.56,95.1 v1(350.56,98.65)
col15: length 284.5
  Top w0.25: v1(369.35,134.97) 269.02,134.97 262.67,128.63 260.14,128.63 259.19,127.68 259.19,126.15 DIP2.7 ; v1(337.86,41.76) 338.36,42.26 339.13,42.26 v1(343.7,46.84) ; v1(372.15,114.65) 372.15,117.68 v1(372.65,118.18) ; v1(372.91,100.68) 372.91,81.38 v1(365.03,73.51)
  Bottom w0.25: v1(372.91,100.68) 372.91,101.7 373.25,102.04 S87.1 373.25,113.55 v1(372.15,114.65) ; v1(337.86,41.76) 333.66,37.57 333.66,37.4 331.16,34.9 S79.1 325.41,27.78 325.41,27.79 324.39,27.79 318.23,21.62 S77.1 ; v1(372.65,118.18) 373.5,119.03 S88.1 373.5,131.34 369.86,134.97 v1(369.35,134.97) ; v1(343.7,46.84) 345.27,45.27 S81.1 347.32,54.53 352.08,59.28 352.1,59.26 S83.1 360.25,68.73 v1(365.03,73.51)
enc_to: length 2.1
  Bottom w0.25: ROT1.2 147.13,49.41 D90.2
encA: length 48
  Top w0.25: v1(154.98,96.45) 158.9,100.38 158.9,107.73 MCU1.11
  Bottom w0.25: v1(154.98,96.45) 154.98,96.37 152.43,93.82 ROT1.A
encC: length 45.5
  Top w0.25: v1(153.45,96.45) 157.7,100.7 MCU1.12
  Bottom w0.25: ROT1.C 149.93,92.59 153.45,96.11 v1(153.45,96.45)
LED: length 7.9
  Top w0.3: R1.1 137.56,108.7 139.86,106.4 140.12,106.4 140.16,106.45 MCU1.24
LED_0: length 10.2
  Bottom w0.3: R1.2 134.38,120.5 128.84,120.5 LED17.4
LED_1: length 15.2
  Bottom w0.25: 114.08,121.26 117.63,117.71 LED17.2
  Bottom w0.3: 114.08,121.26 111.54,121.26 110.28,119.99 LED14.4 ; 118.78,117.7 118.79,117.71
